# Altium PCB Arduino Uno.PcbDoc
Units mil, origin at the board's own origin, x right, y up, seen from the top; angles counter-clockwise.
Board outline 2700 x 2100 mil, 2 copper layers (Top Layer, Bottom Layer); 33 components, 42 nets, 164 pads, 73 vias.
Unrouted connection lines stored in the file: 2.
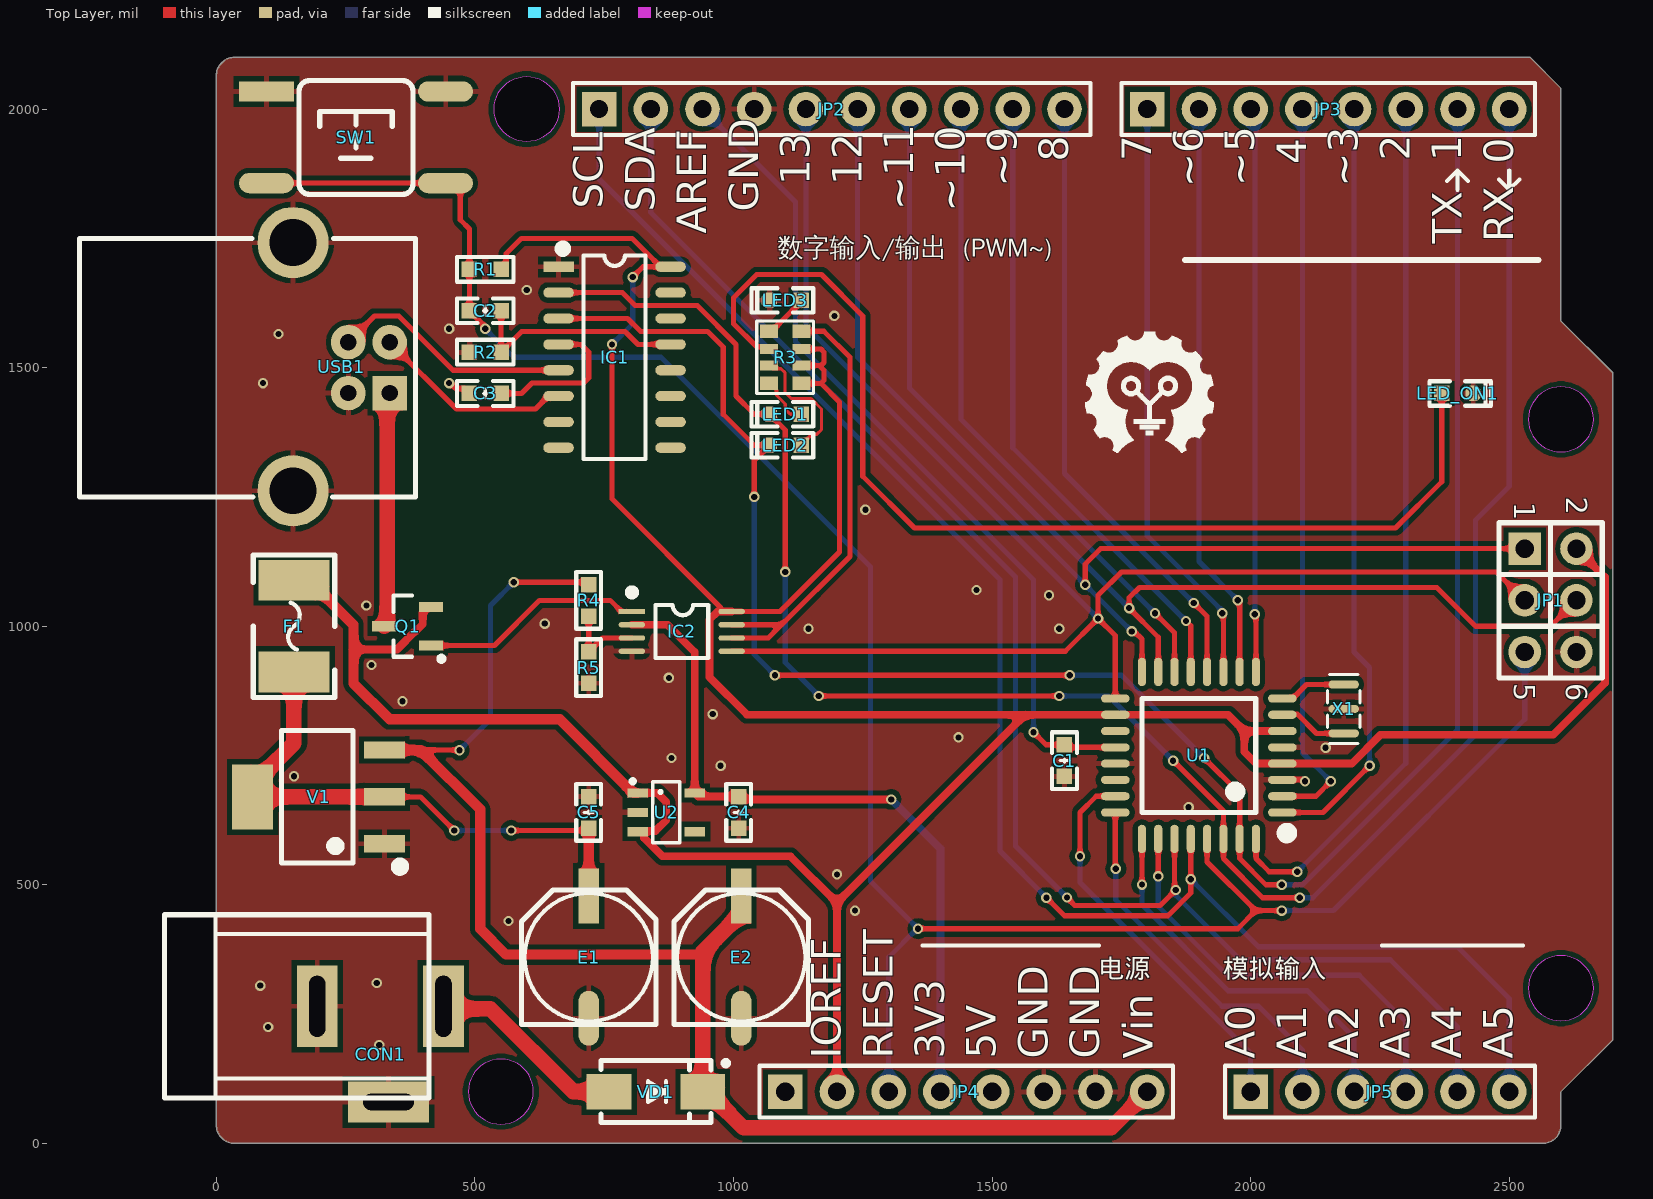
[diagram p0: Top Layer view]
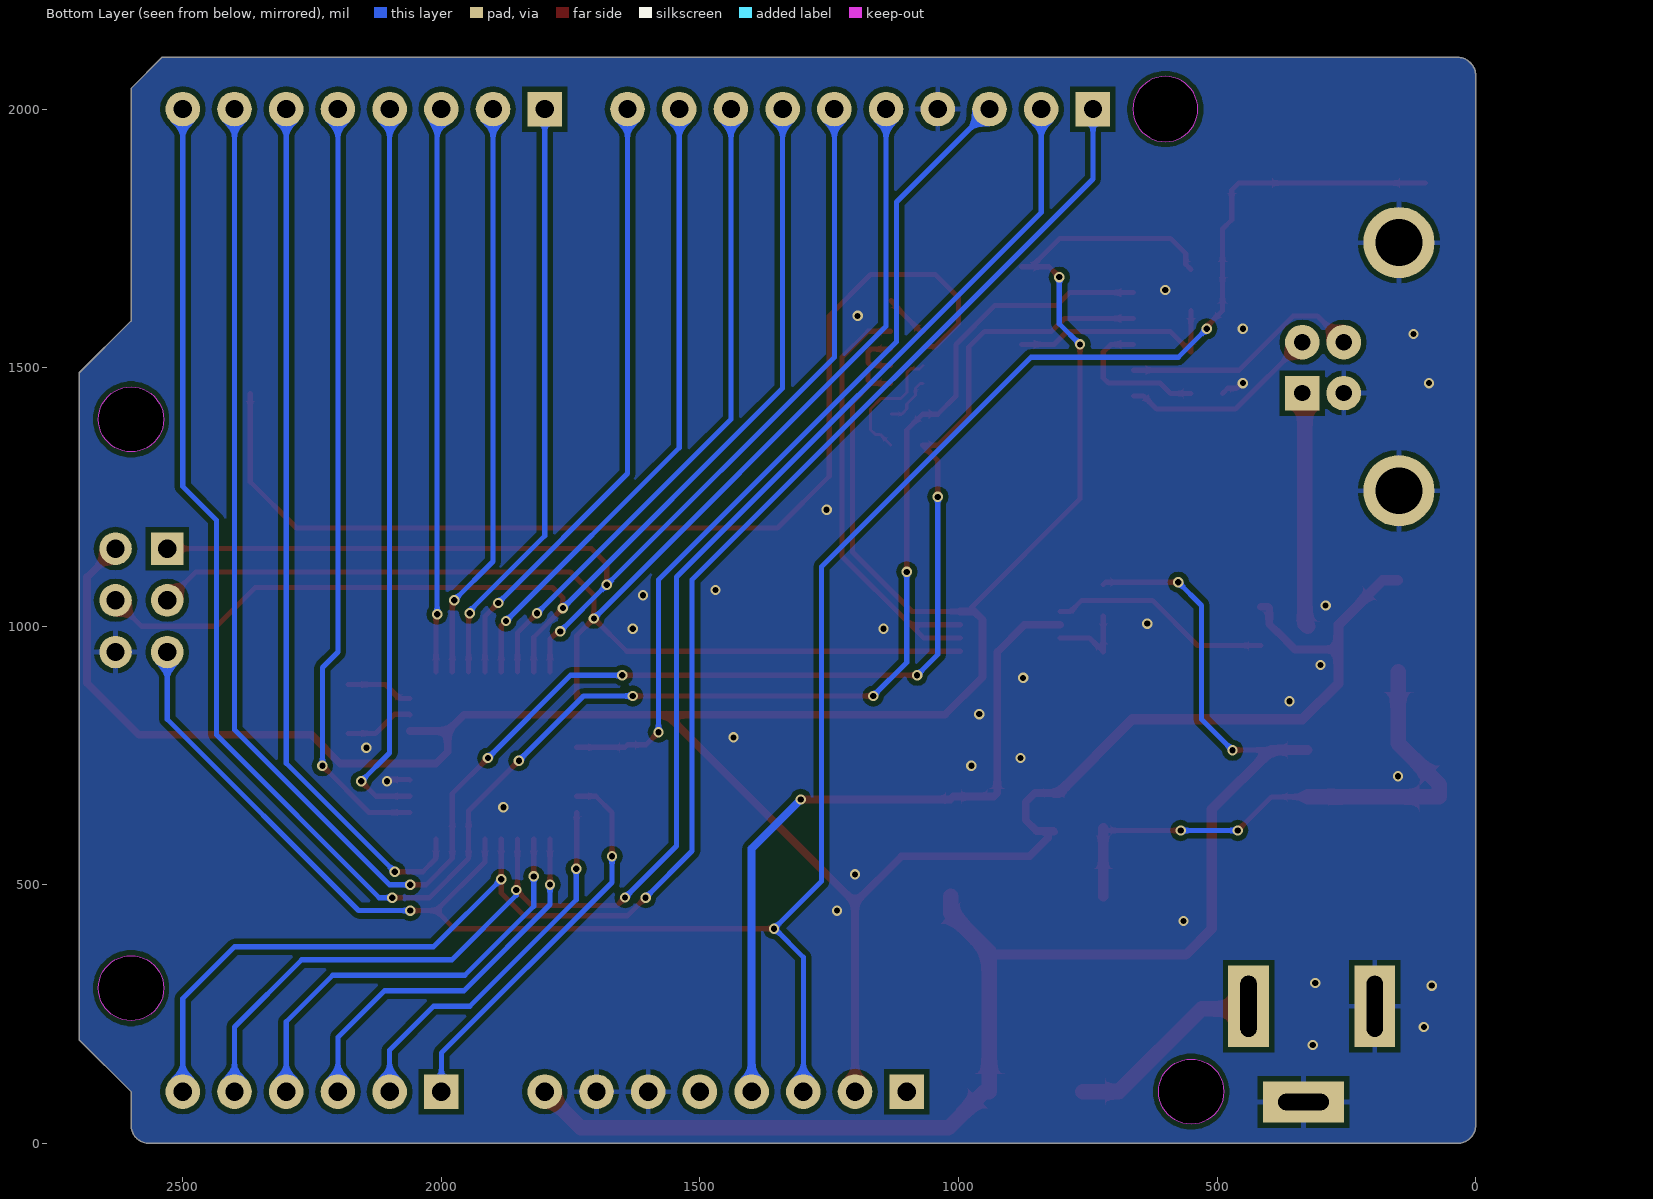
[diagram p1: Bottom Layer view, seen from below]

## Layer stack, top to bottom
Top Solder: solder mask 0.4, Solder Resist, Dk 3.5
Top Layer: signal copper 1.4
Dielectric 1: dielectric 12.6, FR-4, Dk 4.8
Bottom Layer: signal copper 1.4
Bottom Solder: solder mask 0.4, Solder Resist, Dk 3.5

## Board outline
0,35 0,2065 cw(c35,2065) 35,2100 2540,2100 2600,2040 2600,1590 2700,1490 2700,200 2600,100 2600,35 cw(c2565,35) 2565,0 35,0 cw(c35,35)
cut-out: 2537.01,300 ccw(c2600,300) 2600,237.01 ccw(c2600,300) 2662.99,300 ccw(c2600,300) 2600,362.99 ccw(c2600,300)
cut-out: 2537.01,1400 ccw(c2600,1400) 2600,1337.01 ccw(c2600,1400) 2662.99,1400 ccw(c2600,1400) 2600,1462.99 ccw(c2600,1400)
cut-out: 487.01,100 ccw(c550,100) 550,37.01 ccw(c550,100) 612.99,100 ccw(c550,100) 550,162.99 ccw(c550,100)
cut-out: 600,1937.01 cw(c600,2000) 537.01,2000 cw(c600,2000) 600,2062.99 cw(c600,2000) 662.99,2000 cw(c600,2000)

## Design rules (kind name [scope] priority, off if disabled: settings)
Clearance [All] p1: gap=10 ignorepadtopadclearanceinfootprint=FALSE except(0: Arc-Hole Track-Hole SMDPad-Hole THPad-Hole Via-Hole Fill-Hole Poly-Hole Region-Hole Text-Hole)
PlaneConnect [All] p1: pad.planeconnectstyle=Relief pad.reliefexpansion=20 pad.reliefentries=4 pad.reliefconductorwidth=10 pad.reliefairgap=10 via.planeconnectstyle=Direct via.reliefexpansion=20 via.reliefentries=4 via.reliefconductorwidth=10 via.reliefairgap=10
PolygonConnect [All] p1: thpad.connectstyle=Relief thpad.reliefconductorwidth=10 thpad.reliefentries=4 thpad.polygonreliefangle="90 Angle" thpad.airgapwidth=10 smdpad.connectstyle=Relief smdpad.reliefconductorwidth=10 smdpad.reliefentries=4 smdpad.polygonreliefangle="90 Angle" smdpad.airgapwidth=10 via.connectstyle=Direct via.reliefconductorwidth=10 via.reliefentries=4 via.polygonreliefangle="90 Angle" via.airgapwidth=10
RoutingVias [All] p1: holewidth=12 width=20 viastyle="Through Hole" minholewidth=12 minwidth=20 maxholewidth=28 maxwidth=50
SolderMaskExpansion [All] p1: expansion=4
Width [All] p1: maxlimit=100 minlimit=6 preferedwidth=10
29 further rules are at their usual default settings.

## Components (designator, comment, footprint, x,y, rotation, side; value= is the part's Value field where it differs from the comment)
C1 "104" "C 0603_L" 1640,740 r270 top
C2 "104" "C 0603_L" 520,1610 r180 top
C3 "104" "C 0603_L" 520,1450 r0 top
C4 "104" "C 0603_L" 1010,640 r90 top
C5 "104" "C 0603_L" 720,640 r270 top
CON1 "3.5*1.3" DC-005 195,265 r180 top
E1 "47uF/25V" "CM D(6.3*5.4)" 720,360 r90 top
E2 "47uF/25V" "CM D(6.3*5.4)" 1015,360 r90 top
F1 "MSMD200-8V 1A" "FU 1812" 150,1000 r90 top
IC1 "CH340C" SOP16_L 770,1520 r0 top
IC2 "LM358" MSOP8_L 900,990 r270 top
JP1 "Header3X2" HDR2.54-LI-2x3P 2580,1050 r270 top
JP2 "HDR-1X10" HDR2.54-M-LI-10P 1190,2000 r0 top
JP3 "HDR-1X8" HDR2.54-M-LI-8P 2150,2000 r0 top
JP4 "HDR-1X8" HDR2.54-M-LI-8P 1450,100 r0 top
JP5 "HDR-1X6" HDR2.54-M-LI-6P 2250,100 r0 top
LED1 "绿色" "LED 0603B" 1100,1410 r180 top
LED2 "绿色" "LED 0603B" 1100,1350 r180 top
LED3 "黄色" "LED 0603B" 1100,1630 r180 top
LED_ON1 "绿色" "LED 0603B" 2400,1450 r0 top
Q1 "DN340P" SOT23-3N 370,1000 r90 top
R1 "10K" "R 0603_L" 520,1690 r180 top
R2 "10K" "R 0603_L" 520,1530 r0 top
R3 "102" RCA-8P4R-0603 1100,1520 r90 top
R4 "10K" "R 0603_L" 720,1050 r90 top
R5 "10K" "R 0603_L" 720,920 r270 top
SW1 "4x4x1.5" "TSW SMD-6*6*4.3" 270,1945 r0 top
U1 "ATMEGA328P-AU" "LQFP32 7X7_L" 1900,750 r90 top
U2 "LP2985-33DBVR" SOT23-5L 870,640 r270 top
USB1 "USB" USB-B/S_A 255,1500 r270 top
V1 "AMS1117-5V" SOT223_N 195,670 r90 top
VD1 "M7" SMA 850,100 r0 top
X1 "16M" OSC-3.2-1.3-3P 2180,840 r90 top

## Footprints (in the part's own frame and the unit in brackets; to place one, negate y for a bottom-side part, rotate by r counter-clockwise, add the part's x,y. Pads: shape width x height; smd on the part's side, far side on the other; paste and mask are expansions set on the pad)
"C 0603_L" [mil] "无极性贴片电容"
  rect 30x30 smd: 1(-30.59,0) 2(30.59,0)
  silkscreen extent -55,-24 55,24, body extent -31,-16 31,16, height 32
"CM D(6.3*5.4)" [mm] "贴片电解电容，直径6.3mm，高5.4mm"
  rect 2.7x1 smd: 1(3,0)
  oval 2.7x1 smd: 2(-3,0)
  silkscreen extent -3.3,-3.3 3.3,3.3, body extent -3.5,-3.3 3.5,3.3, height 5.4
DC-005 [mm] "5.5*2.1mm，DC30V,2.5A"
  rect 2x4 hole 0.8 slot 3 at 90 deg: 1(-6.2,0) 2(0,0)
  rect 4x2 hole 0.8 slot 2.5 at 0 deg: 3(-3.5,4.7)
  silkscreen extent -5.48,-4.5 7.5,4.5, body extent -6.55,-4.5 7.5,4.8, height 11.2
"FU 1812" [mm] "贴片保险丝"
  rect 2x3.5 smd: 1(-2.25,0) 2(2.25,0)
  silkscreen extent -3.5,-2 3.5,2, body extent -2.3,-1.61 2.3,1.61, height 0.87
HDR2.54-LI-2x3P [mm] "双排排针，3x2脚"
  rect 1.6x1.6 hole 0.9: 1(-2.54,-1.27)
  round 1.6 hole 0.9: 2(-2.54,1.27) 3(0,-1.27) 4(0,1.27) 5(2.54,-1.27) 6(2.54,1.27)
  silkscreen extent -3.81,-2.54 3.81,2.54, body extent -3.81,-2.54 3.81,2.54, height 8.5
HDR2.54-M-LI-6P [mm] "排母，6脚"
  rect 1.7x1.7 hole 0.9: 1(-6.35,0)
  round 1.7 hole 0.9: 2(-3.81,0) 3(-1.27,0) 4(1.27,0) 5(3.81,0) 6(6.35,0)
  silkscreen extent -7.62,-1.27 7.62,1.27, body extent -7.62,-1.27 7.62,1.27, height 8.5
HDR2.54-M-LI-8P [mm] "排母，8脚"
  rect 1.7x1.7 hole 0.9: 1(-8.89,0)
  round 1.7 hole 0.9: 2(-6.35,0) 3(-3.81,0) 4(-1.27,0) 5(1.27,0) 6(3.81,0) 7(6.35,0) 8(8.89,0)
  silkscreen extent -10.16,-1.27 10.16,1.27, body extent -10.16,-1.27 10.16,1.27, height 8.5
HDR2.54-M-LI-10P [mm] "排母，10脚"
  rect 1.7x1.7 hole 0.9: 1(-11.43,0)
  round 1.7 hole 0.9: 2(-8.89,0) 3(-6.35,0) 4(-3.81,0) 5(-1.27,0) 6(1.27,0) 7(3.81,0) 8(6.35,0) 9(8.89,0) 10(11.43,0)
  silkscreen extent -12.7,-1.27 12.7,1.27, body extent -12.7,-1.27 12.7,1.27, height 8.5
"LED 0603B" [mil] "蓝色0603LED"
  rect 30x30 smd: 1(-30.59,0)
  oct 30x30 smd: 2(30.59,0)
  silkscreen extent -54,-24 65,24, body extent -31,-16 32,16, height 24
"LQFP32 7X7_L" [mm] "32脚，体宽7x7mm，脚距0.8mm"
  oval 0.4x1.4 smd: 1(-2.8,-4.096) 2(-2,-4.096) 3(-1.2,-4.096) 4(-0.4,-4.096) 5(0.4,-4.096) 6(1.2,-4.096) 7(2,-4.096) 8(2.8,-4.096) 17(2.8,4.108) 18(2,4.108) 19(1.2,4.108) 20(0.4,4.108) 21(-0.4,4.108) 22(-1.2,4.108) 23(-2,4.108) 24(-2.8,4.108)
  oval 1.4x0.4 smd: 9(4.102,-2.8) 10(4.102,-2) 11(4.102,-1.2) 12(4.102,-0.4) 13(4.102,0.4) 14(4.102,1.2) 15(4.102,2) 16(4.102,2.8) 25(-4.102,2.8) 26(-4.102,2) 27(-4.102,1.2) 28(-4.102,0.4) 29(-4.102,-0.4) 30(-4.102,-1.2) 31(-4.102,-2) 32(-4.102,-2.8)
  silkscreen extent -4.06,-4.57 2.79,2.79, body extent -4.5,-4.5 4.5,4.5, height 1.45
MSOP8_L [mm] "塑封体长3mm，宽3mm，脚距0.65"
  rect 0.26x1.3 smd: 1(-0.975,-2.45)
  oval 0.26x1.3 smd: 2(-0.325,-2.45) 3(0.325,-2.45) 4(0.975,-2.45) 5(0.975,2.45) 6(0.325,2.45) 7(-0.325,2.45) 8(-0.975,2.45)
  silkscreen extent -2.07,-2.6 1.3,1.3, body extent -1.5,-2.45 1.5,2.45, height 0.95
OSC-3.2-1.3-3P [mm]
  oval 0.4x1.5 smd: 1(-1.2,0) 2(0,0) 3(1.2,0)
  silkscreen extent -1.7,-0.8 1.7,0.8, body extent -1.6,-0.65 1.6,0.65, height 0.5
"R 0603_L" [mil] "1/10W贴片电阻"
  rect 30x30 smd: 1(-30.59,0) 2(30.59,0)
  silkscreen extent -55,-24 55,24, body extent -31,-16 32,16, height 16
RCA-8P4R-0603 [mm] "3.2mm*1.6mm*0.6mm(长*宽*厚)"
  rect 0.65x0.9 smd: 1(-1.28,-0.8) 4(1.28,-0.8) 5(1.28,0.8) 8(-1.28,0.8)
  rect 0.5x0.9 smd: 2(-0.4,-0.8) 3(0.4,-0.8) 6(0.4,0.8) 7(-0.4,0.8)
  silkscreen extent -1.78,-1.4 1.78,1.4, body extent -1.6,-0.8 1.6,0.8, height 0.6
SMA [mm] "4.5x2.6*2.2mm（长宽高，不包括引脚）"
  rect 2.2x1.75 smd: 1(-2.3,0) 2(2.3,0)
  silkscreen extent -2.7,-1.52 3.56,1.52, body extent -2.53,-1.3 2.58,1.3, height 2.15
SOP16_L [mm] "10.3*6.2*1.8mm（长宽高）"
  rect 1.5x0.5 smd: 1(-2.752,4.445)
  oval 1.5x0.5 smd: 2(-2.752,3.175) 3(-2.752,1.905) 4(-2.752,0.635) 5(-2.752,-0.635) 6(-2.752,-1.905) 7(-2.752,-3.175) 8(-2.752,-4.445) 9(2.752,-4.445) 10(2.752,-3.175) 11(2.752,-1.905) 12(2.752,-0.635) 13(2.752,0.635) 14(2.752,1.905) 15(2.752,3.175) 16(2.752,4.445)
  silkscreen extent -2.69,-5 1.52,5.49, body extent -3,-5 3,5, height 1.9
SOT23-3N [mm] "3x1.3x1mm(长宽高)"
  rect 0.5x1.2 smd: 1(-0.95,-1.143) 2(0.95,-1.143) 3(0,1.143)
  silkscreen extent -1.72,-1.78 1.5,0.7, body extent -1.5,-1.2 1.5,1.2, height 1.05
SOT23-5L [mm] "3x1.6x1.1mm(长宽高)"
  rect 0.45x1 smd: 1(-0.95,-1.4) 2(0,-1.4) 3(0.95,-1.4) 4(0.95,1.4) 5(-0.95,1.4)
  silkscreen extent -1.6,-1.73 1.5,0.66, body extent -1.5,-1.4 1.5,1.4, height 1.15
SOT223_N [mm] "6.4x7x1.6mm(长宽高)"
  rect 0.85x2 smd: 1(-2.3,-3.302) 2(0,-3.302) 3(2.3,-3.302)
  rect 3.2x2 smd: 2(0,3.175)
  silkscreen extent -3.63,-4.26 3.25,1.75, body extent -3.25,-3.51 3.25,3.51, height 1.65
"TSW SMD-6*6*4.3" [mm] "6*6*4.3mm"
  rect 2.7x1 smd: 1(-4.4,2.261)
  oval 2.7x1 smd: 2(-4.4,-2.239) 3(4.4,-2.239) 4(4.4,2.261)
  silkscreen extent -2.79,-2.79 2.79,2.79, body extent -4.5,-3 4.5,3, height 4.25
USB-B/S_A [mm] "b型USB 母座 16.3*13.7*11mm"
  rect 1.7x1.7 hole 0.8: 1(1.25,2.032)
  round 1.7 hole 0.8: 2(-1.25,2.032) 3(-1.25,0) 4(1.25,0)
  round 3.5 hole 2.3: 4(-6.141,-2.71) 4(6.051,-2.71)
  silkscreen extent -6.35,-13.21 6.35,3.3, body extent -6.86,-13.16 6.86,3.14, height 11.45

## Part data
C1 C2 C3 C4 C5: library part C, "无极性贴片电容"
CON1: library part P-DC, "低压电源接口", BOM名称=DCµçÔ, 学习资源=www.ooocke.
E1 E2: library part C-CM, "贴片电解电容"
F1: library part FU, "贴片保险丝"
IC1: library part CH340G, "串口转USB", BOM名称=´®¿Ú×, 学习资源=www.ooocke.
IC2: "双路运放", BOM名称=Ë«Â, 学习资源=www.ooocke.
JP1: library part "Header 3X2", "3*2P接插件", BOM名称=3*2P接, 学习资源=www.ooocke.
JP2: library part "Header 10", "10P接插件", BOM名称=10P接, 学习资源=www.ooocke.
JP3 JP4: library part "Header 8", "8P接插件", BOM名称=8P接, 学习资源=www.ooocke.
JP5: library part "Header 6", "6P接插件", BOM名称=6P接, 学习资源=www.ooocke.
LED1 LED2 LED3 LED_ON1: library part LED-SMD, "贴片LED", BOM名称=贴片, 学习资源=www.ooocke.
Q1: library part SI2301, "P沟道场效应管"
R1 R2 R4 R5: library part R, "贴片电阻"
R3: library part R-8P4R, "贴片网络排阻"
SW1: library part TS-030, "防水轻触开关", BOM名称=·ÀË®Ç, 学习资源=www.ooocke.
U1: library part ATMEGA328P, "AVR单片机", BOM名称=AVR单, 学习资源=www.ooocke.
U2: library part LP2985-XXDBVR33
USB1: library part USB-B/S, "USB-B型母接口", BOM名称=USB-BÐÍÄ, 学习资源=www.ooocke.
V1: library part AMS1117, "三端稳压芯片", BOM名称=ÎÈÑ, 学习资源=www.ooocke.
VD1: "整流二极管"
X1: library part XTAL-3, "3脚晶振", BOM名称=4脚, 学习资源=www.ooocke.

## Via types
v1: diameter 20, hole 12, Top Layer to Bottom Layer, 73 vias

## Nets (pads, with @x,y where several pads share a name; then routed paths per layer and width w, separated by ;. In a path a pad name is that pad's centre, name@x,y a point inside that pad or via, vN(x,y) a via of type N, cw(c..) or ccw(c..) an arc to the next point about the centre after c; other vN are vias at no path point)
3V3: C4.2 IC2.2 JP4.4 U2.5 | length 1405.3
  Top Layer w15: IC2.2 872.2,1002.8 925.12,949.88 U2.5 931.93,670.59 C4.2 1015.59,665 v1(1305,665)
  Bottom Layer w15: v1(1305,665) 1400,570 JP4.4
A0: JP5.1 U1.23 | length 757.9
  Top Layer w10: v1(1670,555) 1670,640 1701.26,671.26 U1.23
  Bottom Layer w10: v1(1670,555) 1670,504.64 2000,174.64 JP5.1
A1: JP5.2 U1.24 | length 730.6
  Top Layer w10: U1.24 1738.28,531.72 v1(1739.14,530.86)
  Bottom Layer w10: v1(1739.14,530.86) 1739.14,470.86 1945,265 2015,265 2100,180 JP5.2
A2: JP5.3 U1.25 | length 748.4
  Top Layer w10: v1(1789.76,500.24) U1.25
  Bottom Layer w10: v1(1789.76,500.24) 1789.76,461.6 1956.36,295 2110,295 2200,205 JP5.3
A3: JP5.4 U1.26 | length 836.4
  Top Layer w10: v1(1821.26,516.26) U1.26
  Bottom Layer w10: v1(1821.26,516.26) 1821.26,458.38 1954.64,325 2210,325 2300,235 JP5.4
A4: JP2.2 JP5.5 U1.27 | length 2972.4
  Top Layer w10: v1(1644.76,475.24) 1660,460 1825,460 v1(1855,490) 1852.76,492.24 U1.27
  Bottom Layer w10: JP2.2 840,1800 1545,1095 1545,575 v1(1644.76,475.24) ; v1(1855,490) 1855,479.64 1979.64,355 2270,355 2400,225 JP5.5
A5: JP2.1 JP5.6 U1.28 | length 3191.2
  Top Layer w10: v1(1605,475) 1640,440 1840.36,440 1884.25,483.9 v1(1884.25,510.75) U1.28
  Bottom Layer w10: JP2.1 740,1865 1515,1090 1515,565 v1(1605,475) ; v1(1884.25,510.75) 2015,380 2400,380 2500,280 JP5.6
AREF: C1.1 JP2.3 U1.20 | length 1640.5
  Top Layer w10: v1(1580,795) 1604.41,770.59 C1.1 1644.84,765.75 U1.20
  Bottom Layer w10: JP2.3 1120,1820 1120,1550 1580,1090 v1(1580,795)
D0: IC1.2 JP3.8 LED1.2 U1.30 | length 4001.2
  Top Layer w10: IC1.2 785,1645 810,1620 930,1620 1005,1545 1005,1445 1040,1410 LED1.2 1100,1379.41 v1(1100,1105) ; v1(1165,865) v1(1630,865) ; v1(1850,740) 1947.24,642.76 U1.30 1947.24,550.63 2022.87,475 v1(2095,475)
  Bottom Layer w10: v1(1100,1105) 1100,930 v1(1165,865) ; v1(1630,865) 1725,865 v1(1850,740) ; v1(2095,475) 2120,475 2435,790 2435,1205 2500,1270 JP3.8
D1: IC1.3 JP3.7 LED2.2 U1.31 | length 3945
  Top Layer w10: IC1.3 795,1595 819.84,1570.16 949.84,1570.16 980,1540 980,1410 1040,1350 LED2.2 1040,1320.59 v1(1040,1250) ; v1(1080,905) v1(1650,905) ; v1(1910,745) 1978.74,676.26 U1.31 1978.74,550.63 2029.37,500 v1(2060,500)
  Bottom Layer w10: v1(1040,1250) 1040,945 v1(1080,905) ; v1(1650,905) 1750,905 v1(1910,745) ; v1(2060,500) 2100.36,500 2400,799.64 JP3.7
D2: JP3.6 U1.32 | length 1690.3
  Top Layer w10: U1.32 2010.24,550.63 2035.86,525 v1(2090,525)
  Bottom Layer w10: v1(2090,525) 2300,735 JP3.6
D3: JP3.5 U1.1 | length 1493.6
  Top Layer w10: U1.1 2139.76,639.76 v1(2230,730)
  Bottom Layer w10: JP3.5@2200,2005 JP3.5 2200,950 2230,920 v1(2230,730)
D4: JP3.4 U1.2 | length 1428.4
  Top Layer w10: U1.2 2126.26,671.26 v1(2155,700)
  Bottom Layer w10: JP3.4 2100,755 v1(2155,700)
D5: JP3.3 U1.9 | length 1092.8
  Top Layer w10: v1(2008.09,1023.09) 2010.24,1020.94 U1.9
  Bottom Layer w10: JP3.3 2008.09,1991.91 v1(2008.09,1023.09)
D6: JP3.2 U1.10 | length 1121.1
  Top Layer w10: v1(1975,1050) 1978.74,1046.26 U1.10
  Bottom Layer w10: JP3.2 1900,1125 v1(1975,1050)
D7: JP3.1 U1.11 | length 1149.5
  Top Layer w10: v1(1945,1025) 1947.24,1022.76 U1.11
  Bottom Layer w10: JP3.1 1800,1175 1945,1030 v1(1945,1025)
D8: JP2.10 U1.12 | length 1202.7
  Top Layer w10: v1(1890,1045) 1915.75,1019.25 U1.12
  Bottom Layer w10: JP2.10 1640,1295 v1(1890,1045)
D9: JP2.9 U1.13 | length 1231.1
  Top Layer w10: v1(1875,1010) 1884.25,1000.75 U1.13
  Bottom Layer w10: JP2.9 1540,1345 v1(1875,1010)
D10: JP2.8 U1.14 | length 1259.5
  Top Layer w10: v1(1815,1025) 1852.76,987.24 U1.14
  Bottom Layer w10: JP2.8 1440,1400 v1(1815,1025)
D11: JP1.4 JP2.7 U1.15 | length 2232.9
  Top Layer w10: U1.15 1821.26,978.74 v1(1765,1035) 1765,1055 1785,1075 2360,1075 2435,1000 2580,1000 JP1.4
  Bottom Layer w10: JP2.7 1340,1460 v1(1765,1035)
D12: JP1.1 JP2.6 U1.16 | length 2221.6
  Top Layer w10: v1(1680,1080) 1680,1120 1710,1150 JP1.1 ; v1(1770,990) 1775,990 1789.76,975.24 U1.16
  Bottom Layer w10: JP2.6 1240,1520 v1(1680,1080) v1(1770,990)
D13: IC2.5 JP1.3 JP2.5 U1.17 | length 3033.8
  Top Layer w10: IC2.5 1641.61,951.61 v1(1705,1015) ; U1.17 1738.28,981.72 v1(1705,1015) ; JP1.3 2475,1105 1750,1105 1705,1060 v1(1705,1015)
  Bottom Layer w10: JP2.5 1140,1580 v1(1705,1015)
D+: IC1.5 USB1.3 | length 471.2
  Top Layer w10: USB1.3 305.79,1600 352.75,1600 457.75,1495 IC1.5
D-: IC1.6 USB1.2 | length 390.5
  Top Layer w10: USB1.2 464.21,1420 616.97,1420 641.97,1445 IC1.6
DTR: C2.1 IC1.13 R2.2 | length 434.7
  Top Layer w10: C2.1 R2.2 590.59,1570 790,1570 815,1545 IC1.13
GND: C1.2 C3.1 C4.1 C5.1 CON1.2 CON1.3 E1.2 E2.2 IC1.1 IC2.4 JP1.6 JP2.4 JP4.6 JP4.7 LED3.2 LED_ON1.2 R2.1 R5.2 SW1.1 SW1.4 U1.3 U1.5 U1.21 U2.2 USB1.4 V1.1 X1.2 | length 93.5
  Top Layer w10: v1(450,1470) 452.71,1470 462.71,1460 479.41,1460 C3.1 ; U1.3 2062.34,703.86 2098.86,703.86 2102.71,700 v1(2105,700)
  other v1: 315,190 100,225 85,305 310,310 565,430 1235,450 1200,520 1880,650 150,710 975,730 880,745 2145,765 1435,785 960,830 360,855 875,900 300,925 1145,995 1630,995 635,1005 290,1040 1610,1060 1470,1070 1255,1225 90,1470 120,1565 450,1575 1195,1600 600,1650
L13: IC2.6 IC2.7 R3.4 | length 889.6
  Top Layer w10: IC2.6 1067.2,977.2 1092.8,1002.8 ; IC2.7 1092.8,1002.8 ; R3.4 1174.61,1570.39 1225,1520 1225,1135 1092.8,1002.8
MCU_RESET: C2.2 JP1.5 JP4.3 R1.2 SW1.2 SW1.3 U1.29 | length 4330.5
  Top Layer w10: SW1.2 SW1.3 458.13,1856.83 471.69,1843.27 471.69,1785.8 489.41,1768.08 R1.2 C2.2 520,1579.41 v1(520,1575) ; v1(1356.88,415) 1975,415 2010,450 ; U1.29 1915.75,544.25 2010,450 ; v1(2060,450) 2010,450
  Bottom Layer w10: v1(520,1575) 575,1520 860,1520 1265,1115 1265,506.88 v1(1356.88,415) 1355,415 1300,360 JP4.3 ; v1(2060,450) 2160,450 2530,820 JP1.5
NetC3_2: C3.2 IC1.4 | length 296.4
  Top Layer w10: C3.2 590.3,1450 610.3,1470 710,1470 720,1480 720,1530 705,1545 IC1.4
NetC5_2: C5.2 E1.1 F1.1 V1.2 | length 1084.6
  Top Layer w10: V1.2@325,670 395,670 v1(460,605) ; v1(570,605) 715.59,605 C5.2
  Top Layer w20: E1.1 C5.2
  Top Layer w30: F1.1 150,773.62 70,693.62 70,670 V1.2@325,670
  Bottom Layer w10: v1(460,605) v1(570,605)
NetCON1_1: CON1.1 VD1.1 | length 440.2
  Top Layer w30: CON1.1 439.09,225.63 473.46,260 530,260 690,100 VD1.1
NetIC2_1: IC2.1 Q1.1 | length 433.7
  Top Layer w10: Q1.1 537.6,962.6 625,1050 761.46,1050 783.07,1028.39 IC2.1
NetIC2_3: IC2.3 R4.1 R5.1 | length 163.4
  Top Layer w10: R4.1 R5.1 746.61,977.2 IC2.3
NetLED1_1: LED1.1 R3.8 | length 100.3
  Top Layer w6: R3.8 1073.43,1469.61 1083.22,1459.81 1083.22,1446.36 1100,1429.58 1100,1420 1110,1410 LED1.1
NetLED2_1: LED2.1 R3.7 | length 250.4
  Top Layer w6: R3.7 1075.35,1497.41 1092.59,1497.41 1099.22,1490.78 1099.22,1452.99 1112.21,1440 1150,1440 1170,1420 1170,1380 1161,1371 1151.59,1371 LED2.1
NetLED3_1: LED3.1 R3.5 | length 88.2
  Top Layer w10: R3.5 1073.43,1570.39 1120.59,1617.56 1120.59,1620 LED3.1
NetLED_ON1_1: LED_ON1.1 R3.6 | length 2119.1
  Top Layer w10: R3.6 1063.66,1540.59 1044.41,1540.59 1000,1585 1000,1635 1045,1680 1170,1680 1250,1600 1250,1290 1350,1190 2280,1190 2369.41,1279.41 LED_ON1.1
NetU1_7: U1.7 X1.1 | length 134.7
  Top Layer w10: U1.7 2062.34,829.84 2089.84,829.84 2090,830 2127.24,792.76 X1.1
NetU1_8: U1.8 X1.3 | length 129.9
  Top Layer w10: U1.8 2080.93,860.24 2107.94,887.24 X1.3
USBVCC: Q1.3 USB1.1 | length 454.9
  Top Layer w30: Q1.3 330,1005 330,1445.79 USB1.1
VCC: F1.2 IC1.16 IC2.8 JP1.2 JP4.2 JP4.5 Q1.2 R1.1 R3.1 R3.2 R3.3 U1.4 U1.6 U1.18 U2.1 U2.3 | length 6992
  Top Layer w10: R1.1 560.59,1700 560.59,1720.59 590,1750 803.66,1750 IC1.16@858.66,1695 ; v1(765,1545) 765,1246.41 975.94,1035.47 975.94,1028.49 976.05,1028.39 IC2.8@983.02,1028.39 ; v1(805,1675) 825,1695 IC1.16@858.66,1695 ; IC1.16 IC1.16@858.66,1695 ; IC2.8 1090.1,1028.39 1205,1143.28 1205,1433.75 1169.14,1469.61 ; R3.1 1169.14,1469.61 ; R3.2 1169.14,1504.25 ; R3.3 1169.14,1535.75 1175,1529.89 1175,1510.11 1169.14,1504.25 ; 1169.14,1469.61 1175,1475.46 1175,1495 1169.14,1500.86 1169.14,1504.25
  Top Layer w15: 265,955 349.19,955 384.13,989.94 384.94,989.94 398.88,1003.88 398.88,1035.06 401.22,1037.4 Q1.2 ; U2.1 852.6,677.4 870,660 870,625 848.96,603.96 816.24,603.96 U2.3 825.71,602.6 827.07,601.24 827.07,590.49 862.56,555 1110,555 1200,465 ; IC2.8 976.05,1028.39 969.59,1028.39 953.37,1012.16 953.37,901.63 1026.26,828.74 1563.74,828.74 ; JP4.2 1200,465 ; U1.6 1987.76,797.24 ; JP1.2 2685,1095 2685,890 2585,790 2251.11,790 2195.36,734.25 U1.4 2010.75,734.25 1987.76,757.24 1987.76,797.24 ; 1200,465 1563.74,828.74 ; 1563.74,828.74 U1.18 1956.26,828.74 1987.76,797.24
  Top Layer w20: F1.2 179.53,1088.58 265,1003.11 265,955 265,890 335,820 663.74,820 806.34,677.4 U2.1
  Bottom Layer w10: v1(765,1545) 805,1585 v1(805,1675)
Vin: E2.1 JP4.8 R4.2 V1.3 VD1.2 | length 2833.4
  Top Layer w10: 395.24,760.55 469.45,760.55 v1(470,760) ; v1(575,1085) 715.59,1085 R4.2
  Top Layer w20: V1.3 395.24,760.55 510,645.8 510,415 560,365 935.35,365 940.55,370.2
  Top Layer w30: E2.1 1015,444.65 940.55,370.2 VD1.2 949.41,100 1019.41,30 1730,30 JP4.8
  Bottom Layer w10: v1(470,760) 530,820 530,1040 v1(575,1085)
pads on no net: IC1.7 IC1.8 IC1.9 IC1.10 IC1.11 IC1.12 IC1.14 IC1.15 JP4.1 U1.19 U1.22 U2.4

## Polygon pours and split planes (outlines as drawn)
GND on Top Layer "GND_L01_P000" (solid, remove dead copper, pour order 0): 0,35 0,2065 cw(c35,2065) 35,2100 2540,2100 2600,2040 2600,1590 2700,1490 2700,200 2600,100 2600,35 cw(c2565,35) 2565,0 35,0 cw(c35,35)
GND on Bottom Layer "GND_L02_P001" (solid, remove dead copper, pour order 1): 0,35 0,2065 cw(c35,2065) 35,2100 2540,2100 2600,2040 2600,1590 2700,1490 2700,200 2600,100 2600,35 cw(c2565,35) 2565,0 35,0 cw(c35,35)

## Silkscreen, mask and mechanical layers (free items; w line width, h text height)
Top Overlay:
  drawing of 1398 lines, arcs and shapes, not listed
  text "2" at 2327.24,1899.65 h98.43 r90
  text "7" at 1826.78,1899.01 h98.43 r90
  text "1" at 2426.97,1899.01 h98.43 r90
  text "8" at 1666.78,1898.47 h98.43 r90
  text "0" at 2526.78,1894.46 h98.43 r90
  text "4" at 2126.78,1893.46 h98.43 r90
  text "13" at 1166.83,1852.92 h98.43 r90
  text "12" at 1267.24,1853.1 h98.43 r90
  text "~5" at 2026.37,1850.73 h98.43 r90
  text "~9" at 1567.24,1850.09 h98.43 r90
  text "~3" at 2226.83,1850.18 h98.43 r90
  text "~6" at 1926.33,1849 h98.43 r90
  text "SCL" at 766.78,1806.91 h98.43 r90
  text "~11" at 1366.97,1803.91 h98.43 r90
  text "SDA" at 866.78,1801.9 h98.43 r90
  text "GND" at 1066.78,1801.81 h98.43 r90
  text "~10" at 1466.78,1801.81 h98.43 r90
  text "AREF" at 966.78,1758.63 h98.43 r90
  text "RX" at 2527,1742 h98.43 r90
  text "TX" at 2428,1740 h98.43 r90
  text "数字输入/输出  (PWM~)" at 1086,1702.2 h62.99
  text "电源" at 1706.36,307.95 h62.99
  text "模拟输入" at 1946,307.95 h62.99
  text "IOREF" at 1226.78,164 h98.43 r90
  text "RESET" at 1326.78,164 h98.43 r90
  text "3V3" at 1426.83,164 h98.43 r90
  text "5V" at 1526.37,164 h98.43 r90
  text "GND" at 1626.78,164 h98.43 r90
  text "GND" at 1726.78,164 h98.43 r90
  text "Vin" at 1829.84,164 h98.43 r90
  text "A0" at 2026.78,164 h98.43 r90
  text "A1" at 2126.97,164 h98.43 r90
  text "A2" at 2227.24,164 h98.43 r90
  text "A3" at 2326.83,164 h98.43 r90
  text "A4" at 2426.78,164 h98.43 r90
  text "A5" at 2526.37,164 h98.43 r90
Mechanical 1:
  circle w10: c600,2000 r62.99
  circle w10: c2600,1400 r62.99
  circle w10: c2600,300 r62.99
  circle w10: c550,100 r62.99
  lines w3.94: 0,35 ccw(c35,35) 35,0 2565,0 ccw(c2565,35) 2600,35 2600,100 2700,200 2700,1490 2600,1590 2600,2040 2540,2100 35,2100 ccw(c35,2065) 0,2065 0,35

## Text inside footprints (layer, text, board x,y; h text height)
JP1: Top Overlay "6" at 2610,890 h40 r270; Top Overlay "5" at 2510,890 h40 r270; Top Overlay "2" at 2610,1250 h40 r270; Top Overlay "1" at 2510,1240 h40 r270